# Altium PCB FPGA_SHIELD_MARK1_RA1_2.PcbDoc (part 3 of 4)
Units mil, origin at the board's own origin, x right, y up, seen from the top; angles counter-clockwise.
Board outline 3471 x 2686 mil, 4 copper layers (Top Layer, GND, VDD, Bottom Layer); 176 components, 185 nets, 820 pads, 591 vias.
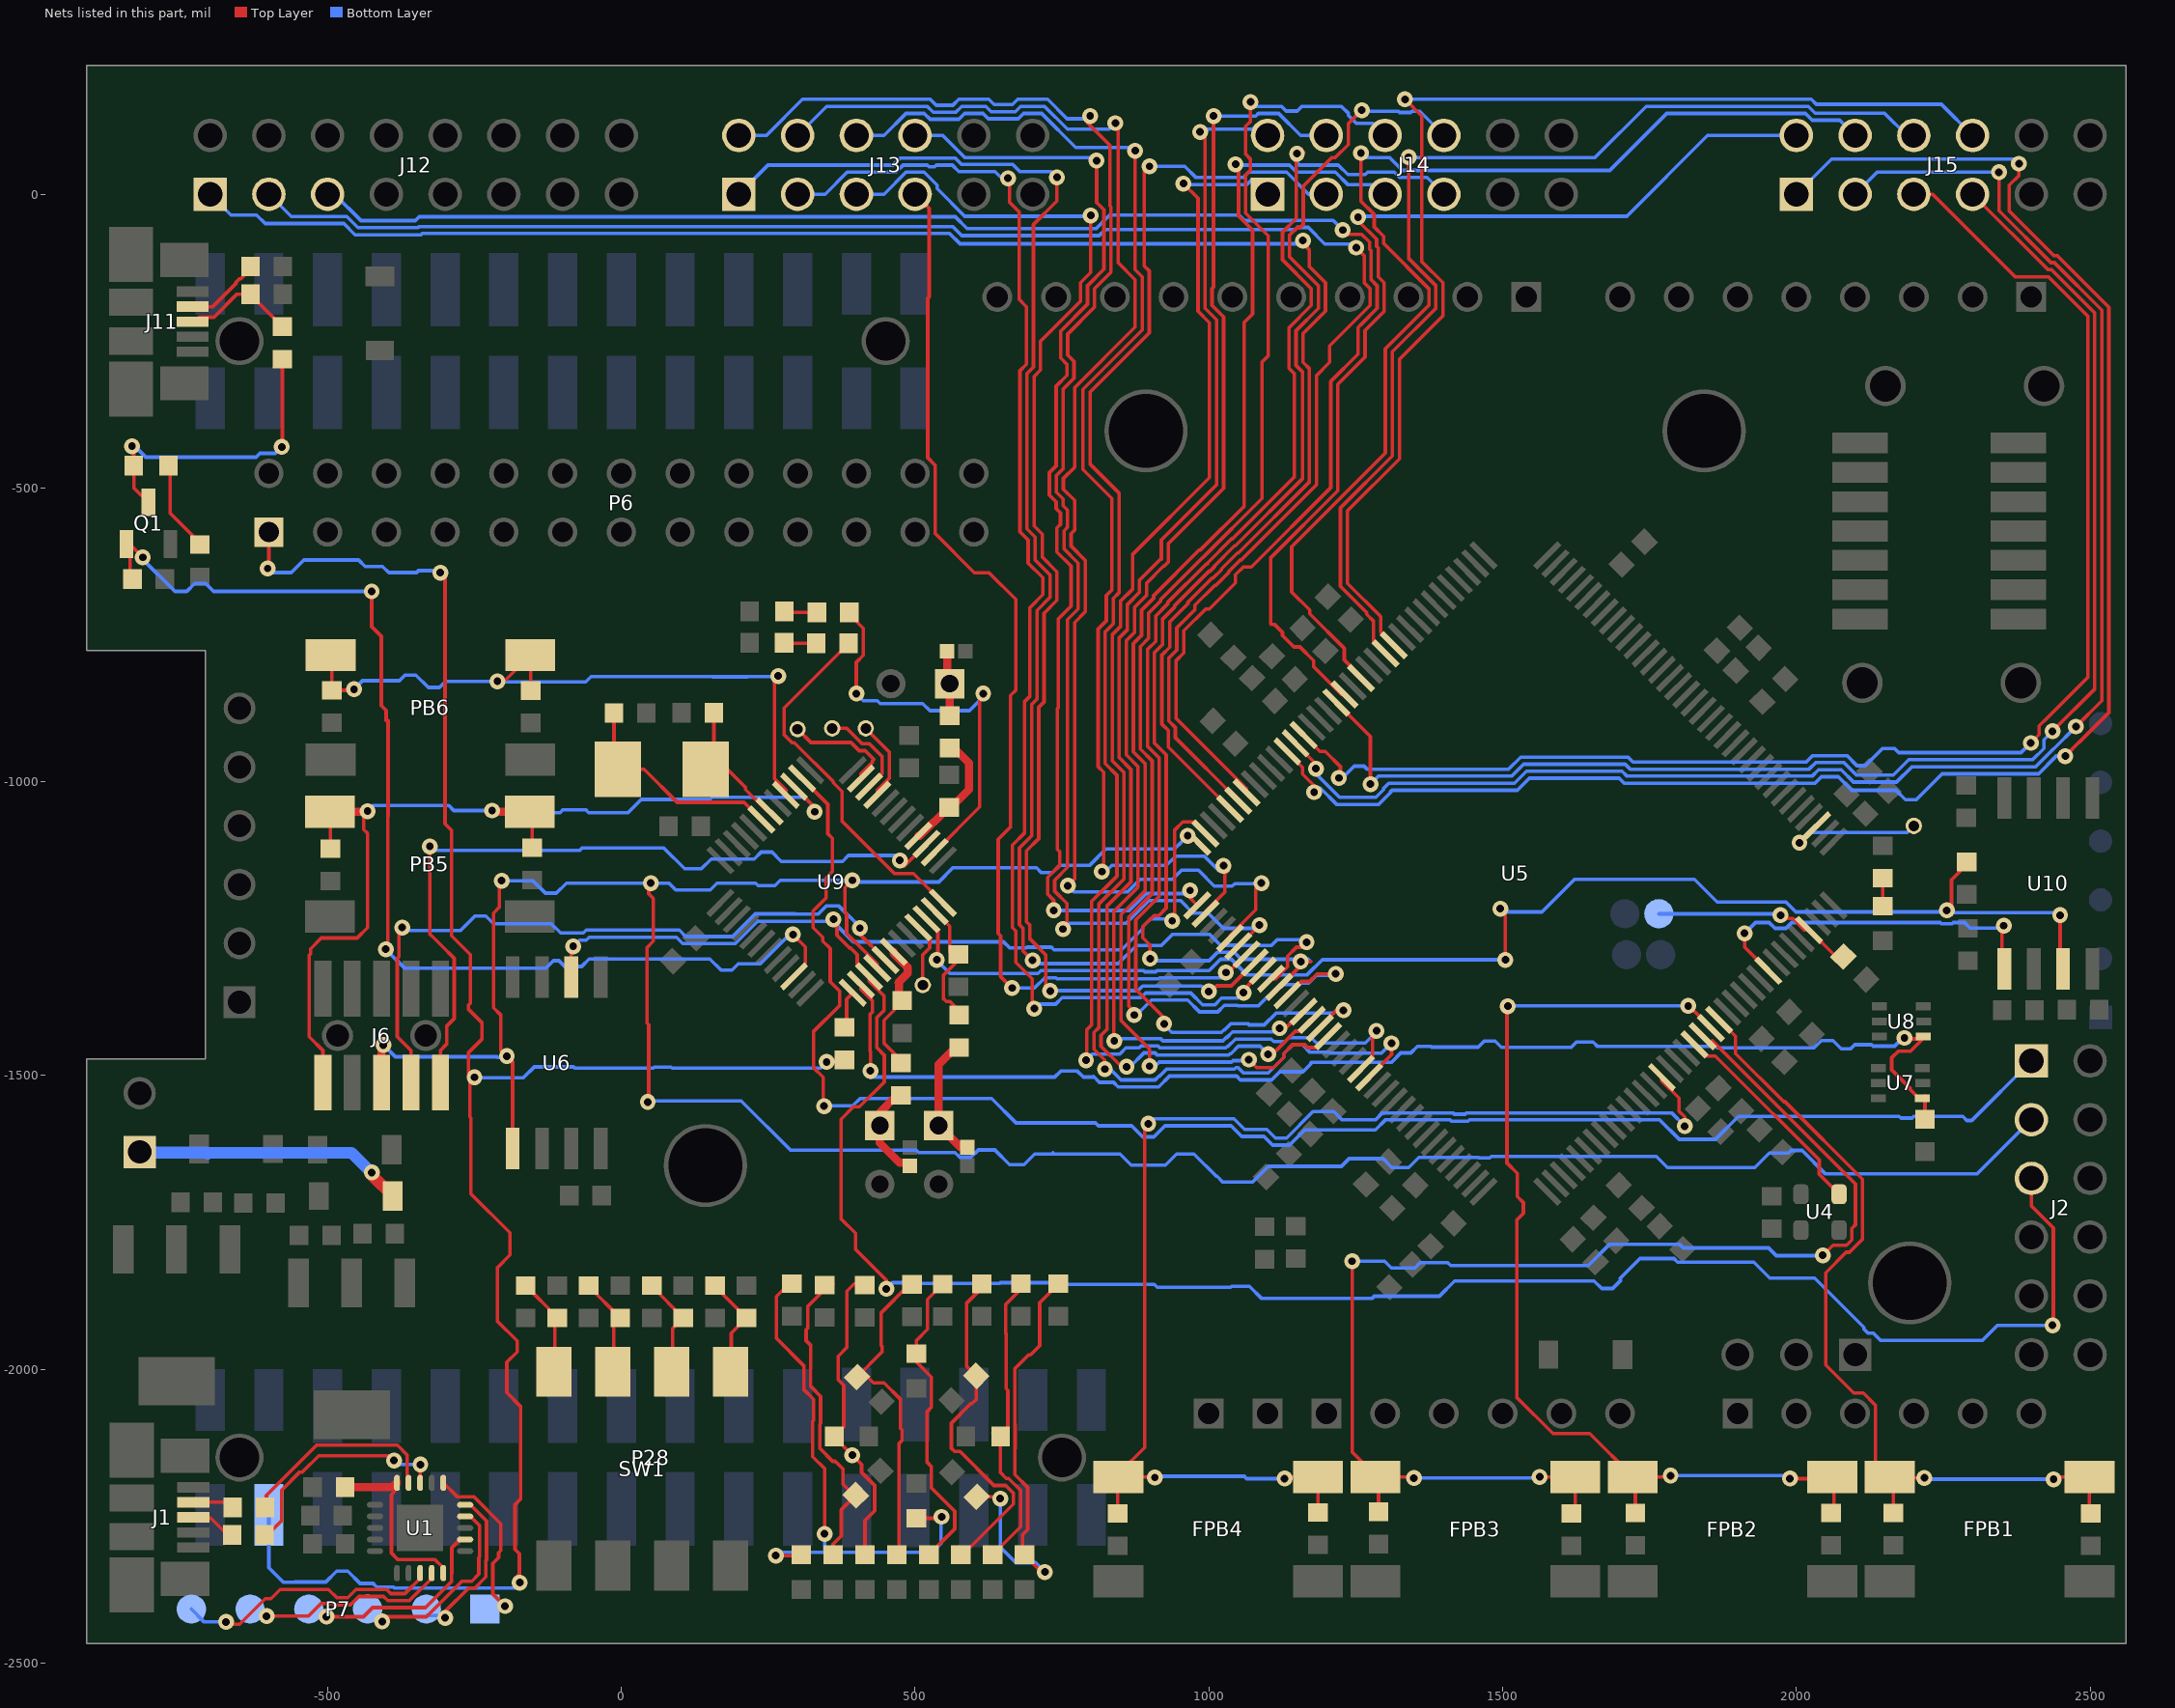
[diagram p5: the nets of this part, all layers, seen from the top]

## Via types
v1: diameter 27, hole 13, Top Layer to Bottom Layer, 574 vias
v2: diameter 27, hole 13, Top Layer to Bottom Layer, tented both sides, 17 vias

## Nets (pads, with @x,y where several pads share a name; then routed paths per layer and width w, separated by ;. In a path a pad name is that pad's centre, name@x,y a point inside that pad or via, vN(x,y) a via of type N, cw(c..) or ccw(c..) an arc to the next point about the centre after c; other vN are vias at no path point) (continued)
LPC_LED_2: R44.1 U9.38 | length 896.5
  Top Layer w6: R44.1@388.03,-712 388.03,-715.06 411.76,-738.8 411.76,-784.99 400,-796.75 v1(400,-850) ; U9.38@533.29,-1119.73 610,-1043.01 ; v1(616,-850) v1@610,-850 ; 610,-1043.01 v1@610,-850 ; 610,-1043.01 v1@610,-850
  Bottom Layer w6: v1(400,-850) 412,-862 435.47,-862 440.47,-867 513.09,-867 525.09,-879 592.49,-879 616,-855.49 v1(616,-850)
MASTER_SENSE: P6.1 P28.3 R29.2 | length 3451.7
  Top Layer w6: v1(-602,-637) -600,-635 P6.1@-600,-575 ; v1(-308,-644) v1@-308,-643 ; v1@-307.5,-643.5 v1@-308,-643 ; v1(-250,-1503) -257.59,-1503 v1@-258,-1502.59 ; v1@-180.42,-2355.57 v1@-181,-2356.15 ; v1(349.44,-1477) 353.2,-1473.24 R29.2@380,-1473.24 ; v1@-308,-643 -300,-651 -300,-1071.56 -289,-1082.56 -289,-1262.1 -257,-1294.1 -257,-1376.97 -260.5,-1380.47 -260.5,-1386.71 -237.5,-1409.71 -237.5,-1438.29 -260.5,-1461.29 -260.5,-1500.09 v1@-258,-1502.59 ; v1@-258,-1502.59 -258,-1570 -256,-1572 -256,-1701.21 -189.5,-1767.71 -189.5,-1805.29 -210.69,-1826.48 -210.69,-1918.49 -177.5,-1951.68 -177.5,-1970.32 -195,-1987.82 -195,-2039.65 -171.8,-2062.86 -171.8,-2221.18 -181,-2230.38 -181,-2306.5 -173.67,-2313.83 -173.67,-2348.82 v1@-181,-2356.15 ; v1@-181,-2356.15 -181,-2363 v1@-181,-2356.15
  Bottom Layer w6: v1(-602,-637) -595,-644 -561.82,-644 -540.32,-622.5 -447.32,-622.5 -436.32,-633.5 -406.4,-633.5 -395.9,-644 -348.67,-644 -345.32,-640.65 -310.35,-640.65 -308,-643 v1(-308,-644) ; P28.3@-600,-2247.5 -600,-2337.82 -575.32,-2362.5 -556.68,-2362.5 -556.18,-2362 -522.32,-2362 -503.18,-2362 -484.68,-2343.5 -465.68,-2343.5 -444.68,-2364.5 -422.42,-2364.5 -416.42,-2370.5 -387.7,-2370.5 -385.7,-2372.5 -182.5,-2372.5 v1@-181,-2371 ; v1(-250,-1503) -257.59,-1503 -257.09,-1503.5 -166.5,-1503.5 -148.27,-1485.27 -81.26,-1485.27 -79.03,-1487.5 54.21,-1487.5 56.21,-1485.5 84.79,-1485.5 86.79,-1487.5 338.94,-1487.5 v1(349.44,-1477) ; v1@-181,-2371.21 v1@-181,-2371 ; v1(-173,-2363) v1@-181,-2371
MISO: J2.3 U5.143 U6.2 U9.27 | length 4515
  Top Layer w6: U6.2@-85,-1332.75 v1@-85,-1271 ; v1@359.66,-1235.34 v1@367,-1242.69 ; v1(361,-1234) 358.31,-1234 v1@367,-1242.69 ; v1(451,-1863) 451,-1848.23 398.5,-1795.73 398.5,-1768.5 374,-1744 374,-1574.24 395.03,-1553.21 405.23,-1553.21 447.5,-1510.94 447.5,-1465.47 435.06,-1453.03 435.06,-1401.13 447.06,-1389.13 447.06,-1364.58 421.93,-1339.45 U9.27@421.93,-1331.3 421.93,-1330.93 401.5,-1310.5 401.5,-1294.3 390.24,-1283.04 388.71,-1283.04 367,-1261.33 v1@367,-1242.69 ; v1(937.67,-1236.76) 941.5,-1232.93 941.5,-1082.68 955.83,-1068.35 975.01,-1068.35 U5.143@994.45,-1087.8 ; J2.3@2400,-1675 2400,-1721.82 2437.5,-1759.32 2437.5,-1923.5 v1(2436.01,-1924.99)
  Bottom Layer w6: v1(-82,-1280) -71.5,-1269.5 -59.77,-1269.5 -54.77,-1264.5 93.71,-1264.5 104.71,-1275.5 194.23,-1275.5 232.82,-1236.91 233.41,-1237.5 v1@355.86,-1237.5 ; v1@358,-1235.36 395.14,-1272.5 650.68,-1272.5 660.68,-1282.5 689.68,-1282.5 690.68,-1281.5 731.71,-1281.5 736.21,-1286 851.21,-1286 887.5,-1249.71 887.5,-1246.68 900.68,-1233.5 934.41,-1233.5 v1(937.67,-1236.76) ; v1(451,-1863) 461.5,-1852.5 491.04,-1852.5 492.04,-1853.5 644.37,-1853.5 645.37,-1852.5 728.63,-1852.5 731.63,-1855.5 907.39,-1855.5 912.39,-1860.5 1037,-1860.5 1039,-1858.5 1069,-1858.5 1089.99,-1879.49 1277.33,-1879.49 1281.32,-1875.5 1392.32,-1875.5 1418.32,-1849.5 1655.68,-1849.5 1668.68,-1862.5 1687.32,-1862.5 1700.52,-1849.3 1700.52,-1844.82 1733.83,-1811.5 1791.8,-1811.5 1797.8,-1817.5 1927.69,-1817.5 1954.7,-1844.52 2031.06,-1844.52 2115,-1928.46 2115,-1931.48 2122.02,-1938.5 2131.23,-1938.5 2143.72,-1950.99 2316.52,-1950.99 2342.52,-1924.99 v1(2436.01,-1924.99)
MOSI_SWO: J2.2 J6.6 U5.144 U6.5 U9.28 | length 5105.4
  Top Layer w6: v1@-407,-1450 v1(-405,-1448) ; v1(-203.68,-1168.37) -207.5,-1172.19 -207.5,-1213.5 -217.5,-1223.5 -217.5,-1384.45 -205.5,-1396.45 -205.5,-1456.5 v1(-195,-1467) -185,-1477 U6.5@-185,-1624.09 ; v1@46.5,-1544.99 46.5,-1413.71 43.55,-1410.76 43.55,-1282.32 54.5,-1271.37 54.5,-1198.68 46.5,-1190.68 46.5,-1176 v1(50,-1172.5) ; v1(393,-1167.69) 380.5,-1180.19 380.5,-1221.68 383.5,-1224.68 383.5,-1258.32 396.68,-1271.5 396.99,-1271.5 435.85,-1310.35 U9.28@435.85,-1317.38
  Top Layer w14: J6.6@-408,-1512 v1@-408,-1449
  Bottom Layer w6: v1(-405,-1448) -384.91,-1468.09 -211.91,-1468.09 -211,-1469 v1@-195,-1469 ; v1(-203.68,-1168.37) -150.45,-1168.37 -129.32,-1189.5 -110.68,-1189.5 -93.68,-1172.5 v1(50,-1172.5) 81.11,-1172.5 92.8,-1184.19 151.2,-1184.19 162.89,-1172.5 228.7,-1172.5 232.89,-1176.69 261.47,-1176.69 270.47,-1167.69 v1(393,-1167.69) 395.81,-1170.5 540.29,-1170.5 564.29,-1146.5 706.68,-1146.5 714.68,-1154.5 733.71,-1154.5 745.71,-1142.5 796.68,-1142.5 824.68,-1114.5 941.5,-1114.5 953.5,-1102.5 ; v1(45.01,-1544.99) 47.01,-1542.99 204.01,-1542.99 288.02,-1627 502.3,-1627 506.3,-1631 568.02,-1631 576.02,-1639 595.18,-1639 607.68,-1626.5 635.71,-1626.5 660.71,-1651.5 685.29,-1651.5 703.29,-1633.5 734.5,-1633.5 ; 734.5,-1631.5 736.5,-1633.5 848.8,-1633.5 867.8,-1652.5 926.2,-1652.5 945.2,-1633.5 974.68,-1633.5 1012.68,-1671.5 1014.14,-1671.5 1024.14,-1681.5 1074.03,-1681.5 1101.03,-1654.5 1225.68,-1654.5 1238.68,-1641.5 1296.71,-1641.5 1311.71,-1656.5 1340.29,-1656.5 1357.29,-1639.5 1459.18,-1639.5 1459.68,-1640 1478.32,-1640 1480.82,-1637.5 1761.8,-1637.5 1780.8,-1656.5 1929.32,-1656.5 1953.82,-1632 1986.71,-1632 1991.21,-1627.5 2009.85,-1627.5 2049.85,-1667.5 2307.5,-1667.5 J2.2@2400,-1575
  other v1: 964,-1092
NetC6_2: C6.2 U1.10 U1.20 | length 314.9
  Top Layer w6: U1.10@-386,-2199 -386,-2208.05 -391.37,-2213.42 -391.37,-2312.66 -380.03,-2323.99 -317.11,-2323.99 -303.19,-2337.91 U1.20@-303.19,-2346.77
  Top Layer w14: C6.2@-470.44,-2200.5 -389.2,-2200.5 U1.10@-381.93,-2193.23
NetC27_1: C27.1 R28.1 U9.30 | length 227.1
  Top Layer w6: C27.1@472.79,-1370.46 472.79,-1380.37 447.06,-1406.1 447.06,-1445.05 473.79,-1471.78 R28.1@473.79,-1478.46
  Top Layer w14: U9.30@463.69,-1289.54 463.69,-1292.04 487.13,-1315.48 487.13,-1326.25 471.79,-1341.58 472.79,-1342.58 C27.1@472.79,-1370.46
NetC30_1: C30.1 R30.1 U9.35 | length 217.6
  Top Layer w6: U9.35@533.29,-1219.95 559,-1245.66 C30.1@559,-1290.83 ; C30.1@570.88,-1291.15 C30.1@573.67,-1293.94 573.67,-1303.85 547.94,-1329.59 547.94,-1368.54 553.21,-1373.81 559.21,-1373.81 576.67,-1391.27 R30.1@576.67,-1399.94
NetC31_2: C31.2 J6.10 PB5.B R36.2 U9.3 | length 1689.5
  Top Layer w6: J6.10@-508,-1512 -508,-1457.2 -531.5,-1433.7 -531.5,-1295.5 -529,-1293 -529,-1284.18 -510.74,-1265.92 -449.77,-1265.92 -432,-1248.15 -432,-1087.76 -438.49,-1081.28 -438.49,-1056.49 v1(-432,-1050) v1@-433.42,-1051.42 ; PB5.B@-496,-1051.42 -495,-1052.42 C31.2@-495,-1113.94 ; PB5.B@-156,-1051.42 -152,-1055.42 R36.2@-152,-1112.44 ; U9.3@293.87,-1008.37 336.5,-1051 v1(329,-1051)
  Top Layer w14: PB5.B@-496,-1051.42 -433.42,-1051.42 v1(-432,-1050) ; v1(-220,-1049) -217.58,-1051.42 PB5.B@-156,-1051.42
  Bottom Layer w6: v1(-432,-1050) -422.5,-1040.5 -293.68,-1040.5 -285.18,-1049 v1(-220,-1049) -216.5,-1052.5 -104.26,-1052.5 -99.26,-1047.5 -60.74,-1047.5 -55.74,-1052.5 11.4,-1052.5 33.71,-1030.19 150.71,-1030.19 154.71,-1026.19 224.37,-1026.19 224.68,-1026.5 243.32,-1026.5 243.63,-1026.19 311.69,-1026.19 336.5,-1051 v1(329,-1051)
NetC33_1: C33.1 R40.1 U9.40 | length 207.5
  Top Layer w14: U9.40@505.45,-1091.89 507.94,-1091.89 531.38,-1068.45 532.44,-1068.45 557.79,-1043.1 561.9,-1043.1 592,-1013 592,-968.47 566.09,-942.56 R40.1@559,-942.56
NetC37_2: C37.2 U9.7 Y1.1 | length 369.3
  Top Layer w6: C37.2@-12.56,-891.69 -12.56,-972.19 Y1.1@-6.06,-978.69 38.93,-978.69 95.17,-1034.93 209.07,-1034.93 U9.7@238.19,-1064.05
NetC38_2: C38.2 U9.6 Y1.2 | length 233.2
  Top Layer w6: C38.2@157.56,-891.69 157.56,-964.67 Y1.2@143.54,-978.69 180.67,-978.69 211.5,-1009.52 211.5,-1013.32 248.31,-1050.13 U9.6@252.11,-1050.13
NetC39_2: C39.2 PB6.B R41.2 U9.4 | length 1198
  Top Layer w6: PB6.B@-495,-784.42 -493,-786.42 C39.2@-493,-844.44 -456.94,-844.44 v1(-455,-842.5) ; v1(-211,-829) -199.58,-829 PB6.B@-155,-784.42 -154,-785.42 R41.2@-154,-844.88 ; v1(267,-820) 260.51,-826.49 260.51,-994.7 279.95,-1014.14 U9.4@279.95,-1022.29
  Bottom Layer w6: v1(-455,-842.5) -440.5,-828 -377.82,-828 -368.32,-818.5 -349.68,-818.5 -328.68,-839.5 -309.68,-839.5 -299.18,-829 v1(-211,-829) -210,-830 -60.49,-830 -51.49,-821 82.38,-821 82.56,-821.19 155.48,-821.19 155.8,-821.5 214.2,-821.5 214.52,-821.19 265.81,-821.19 v1(267,-820)
NetD2_2: D2.2 J5.1 | length 478.8
  Top Layer w20: v1(-424.87,-1665) -424.87,-1669.14 D2.2@-389.01,-1705
  Bottom Layer w20: J5.1@-834,-1631 -706,-1631 -705.3,-1631.7 ; -704,-1633 -705.3,-1631.7 ; v1@-426,-1665 -459.3,-1631.7 -705.3,-1631.7
NetD5_C: D5.C R37.1 | length 47.2
  Top Layer w6: D5.C@2147,-1211.47 R37.1@2147,-1164.22
NetD6_A: D6.A Q1.3 R46.1 | length 526.6
  Top Layer w6: D6.A@-830.14,-462 v1@-830.14,-429 ; D6.A@-829.52,-462 -829.52,-500.05 Q1.3@-805,-524.57 ; v1@-580,-429 -577,-426 R46.1@-577,-280.56 ; v1(-578,-430) v1@-578,-429.56
  Bottom Layer w6: v1(-833,-429) v1@-830,-429 ; v1@-830,-427 -809.5,-447.5 -621.68,-447.5 -615.18,-441 -589,-441 v1(-578,-430)
NetD6_C: D6.C R45.2 | length 163.4
  Top Layer w6: D6.C@-768.02,-451.99 -768.02,-542.98 R45.2@-717.55,-593.44 ; R45.2@-715.55,-594.44 R45.2@-715.55,-593.44
NetDC1_A: DC1.A DC9.A R17.1 | length 944.6
  Top Layer w6: v1(263,-2317) 306,-2317 DC1.A@307,-2318 ; R17.1@297.19,-1854.55 285.45,-1854.55 264,-1876 264,-1947.18 310.5,-1993.68 310.5,-2034.29 327,-2050.79 327,-2087.29 325.72,-2088.57 325.72,-2148.72 346,-2169 v1(346,-2280) ; DC9.A@494.68,-2246.18 DC9.A@500.17,-2240.7 ; DC9.A@502,-2253.53 542.47,-2253.53 v1(545,-2251)
  Bottom Layer w6: v1(263,-2317) 268.5,-2311.5 345.5,-2311.5 ; 345,-2312 345.5,-2311.5 ; v1(346,-2280) 346,-2311 345.5,-2311.5 ; v1@544,-2251 544,-2296.23 528.73,-2311.5 345.5,-2311.5
NetDC2_A: DC2.A DC11.A R23.1 | length 537.1
  Top Layer w6: DC2.A@360.45,-2315.64 360.45,-2297.37 374.5,-2283.32 374.5,-2238.83 DC11.A@397.67,-2215.67 ; R23.1@360.48,-1854.55 355.45,-1854.55 317.27,-1892.73 317.27,-1929.91 314.5,-1932.68 314.5,-1951.32 322.5,-1959.32 322.5,-2029.32 339,-2045.82 339,-2092.26 337.72,-2093.54 337.72,-2134.46 359.76,-2156.5 364.32,-2156.5 377.5,-2169.68 377.5,-2195.5 DC11.A@397.67,-2215.67 ; DC11.A@398,-2216 DC11.A@397.67,-2215.67
NetDC3_A: DC3.A DC12.A R18.1 | length 545.9
  Top Layer w6: DC3.A@414.74,-2315.64 414.74,-2257.26 431.09,-2240.91 431.09,-2197.66 408.91,-2175.49 408.91,-2161.91 v1(393,-2146) 362.47,-2115.47 DC12.A@362.47,-2114 378.55,-2097.92 378.55,-2026.95 369.15,-2017.54 369.15,-1977.64 384,-1962.79 384,-1899.25 383.73,-1898.98 383.73,-1866.95 396.13,-1854.55 R18.1@423.77,-1854.55
NetDC4_A: DC4.A DC14.A R20.1 | length 554.4
  Top Layer w6: DC4.A@469.03,-2315.64 472.85,-2311.82 472.85,-2125.97 477.5,-2121.32 477.5,-2102.68 474.85,-2100.03 474.85,-2050.46 447.3,-2022.91 429.18,-2022.91 419.39,-2013.12 DC14.A@401.12,-2013.12 444.03,-1970.21 444.03,-1960.85 442.5,-1959.32 442.5,-1903.32 487.05,-1858.77 R20.1@487.05,-1854.55
NetDC5_A: DC5.A DC16.A R16.1 | length 533.6
  Top Layer w6: DC5.A@523.31,-2315.64 567.5,-2271.45 567.5,-2241.68 527.73,-2201.91 527.73,-2165.55 520.5,-2158.32 520.5,-2071.87 527.73,-2064.64 527.73,-2013.05 502,-1987.32 DC16.A@502,-1973.47 502,-1951 521.27,-1931.73 521.27,-1880.67 R16.1@547,-1854.94 ; R16.1@548.09,-1856.03 549.58,-1854.55 R16.1@550.34,-1854.55
NetDC6_A: DC6.A DC15.A R19.1 | length 597.5
  Top Layer w6: DC6.A@577.6,-2315.64 581.18,-2315.64 667.5,-2229.32 667.5,-2210.68 654.32,-2197.5 634.17,-2197.5 576.4,-2139.73 567,-2139.73 561.72,-2134.46 561.72,-2091.46 594.68,-2058.5 596.76,-2058.5 603.88,-2051.38 DC15.A@603.88,-2011.12 587.89,-1995.13 587.89,-1887.15 613.62,-1861.41 R19.1@613.62,-1854.55
NetDC7_A: DC7.A DC13.A R21.1 | length 526.1
  Top Layer w6: DC7.A@631.88,-2315.64 679.5,-2268.02 679.5,-2205.71 659.29,-2185.5 655.13,-2185.5 645,-2175.37 645,-2121.47 DC13.A@631.88,-2108.36 ; DC13.A@645.53,-2114 658,-2101.53 658,-2036.18 654.82,-2033 654.82,-1939.34 654.27,-1938.78 654.27,-1889.53 680,-1863.8 R21.1@680,-1854.44
NetDC8_A: DC8.A DC10.A R22.1 | length 772.3
  Top Layer w6: DC10.A@604.86,-2216.88 641.88,-2216.88 v1(645,-2220) ; v1(721,-2345) 715.53,-2345 DC8.A@686.17,-2315.64 683,-2312.47 683,-2281.49 691.5,-2272.99 691.5,-2200.74 670,-2179.24 670,-2134.74 670.28,-2134.46 670.28,-2093.54 670,-2093.26 670,-1998.67 693.17,-1975.5 696.32,-1975.5 712,-1959.82 712,-1886.44 R22.1@744,-1854.44
  Bottom Layer w6: v1(645,-2220) 645,-2302.73 671.27,-2329 705,-2329 v1(721,-2345)
NetDC17_A: DC17.A R42.2 | length 55.2
  Top Layer w6: DC17.A@277.12,-763.53 278.12,-764.53 R42.2@331.9,-764.53
NetDC18_A: DC18.A R44.2 | length 56.3
  Top Layer w6: DC18.A@277.5,-709.8 279.7,-712 R44.2@332.91,-712
NetJ1_2: J1.2 R7.2 | length 49.2
  Top Layer w6: J1.2@-712,-2226 -675.56,-2226 R7.2@-666.56,-2235
NetJ1_3: J1.3 R6.2 | length 60.9
  Top Layer w6: J1.3@-713,-2247 -707,-2253 -699.2,-2253 -670.2,-2282 R6.2@-666.56,-2282
NetJ3_1: J3.1 P3.1 R28.2 | length 155.2
  Top Layer w14: R28.2@466,-1538 465,-1538 440,-1563 P3.1@440,-1585 440,-1614.88 473.12,-1648 485.5,-1648 J3.1@491,-1653.5
NetJ4_1: J4.1 P4.1 R30.2 | length 206.6
  Top Layer w14: R30.2@567,-1454 540,-1481 P4.1@540,-1585 577.18,-1622.18 J4.1@589,-1622.18
NetJ6_2: J6.2 U9.39 | length 1343.7
  Top Layer w6: v1(-326,-1110) -326,-1259.27 -318.77,-1266.5 -318.54,-1266.5 -306.5,-1278.54 -284.5,-1300.54 -284.5,-1403.23 -297.5,-1416.23 -297.5,-1446.7 -308,-1457.2 J6.2@-308,-1512 ; v1(474,-1133.69) 474,-1142.69 482.49,-1142.69 U9.39@519.37,-1105.81
  Bottom Layer w6: v1(-326,-1110) -319.5,-1116.5 -70.68,-1116.5 -66.68,-1112.5 72.02,-1112.5 107.71,-1148.19 136.29,-1148.19 152.98,-1131.5 226.05,-1131.5 237.86,-1119.69 256.5,-1119.69 272.31,-1135.5 376.4,-1135.5 386.4,-1125.5 465.81,-1125.5 v1(474,-1133.69)
NetJ6_4: J6.4 U9.29 | length 1213.2
  Top Layer w6: v1(-373,-1248) -378.5,-1253.5 -378.5,-1297.77 -381.5,-1300.77 -381.5,-1433.7 -358,-1457.2 J6.4@-358,-1512 ; v1(406,-1249) 403.46,-1249 403,-1248.54 403,-1256.69 U9.29@449.77,-1303.46
  Bottom Layer w6: v1(-373,-1248) -378,-1253 -273.82,-1253 -249.32,-1228.5 -230.68,-1228.5 -217.66,-1241.52 -119.24,-1241.52 -103.26,-1257.5 -64.74,-1257.5 -59.74,-1252.5 98.68,-1252.5 109.68,-1263.5 189.26,-1263.5 227.85,-1224.91 296.09,-1224.91 296.68,-1225.5 334.37,-1225.5 348.37,-1211.5 370.32,-1211.5 406,-1247.18 v1(406,-1249)
NetJ10_1: J10.1 P5.1 R40.2 | length 89.9
  Top Layer w14: J10.1@554.5,-788 554.5,-828.71 P5.1@558.79,-833 R40.2@558.79,-876.13
NetJ11_2: J11.2 R48.1 | length 126.7
  Top Layer w6: J11.2@-729.64,-191.41 -695.41,-191.41 -655.88,-151.88 -655.88,-149.54 -650.61,-144.27 -648.27,-144.27 R48.1@-631,-127
NetJ11_3: J11.3 R46.2 R47.1 | length 191.4
  Top Layer w6: J11.3@-726,-217 -718.27,-209.27 -693.47,-209.27 -654.2,-170 -632.44,-170 R46.2@-577,-225.44
NetJ17_1: J17.1 R50.2 U5.69 | length 344.2
  Top Layer w6: v1(1973,-1227) 1978.6,-1232.6 1994.12,-1232.6 2013.56,-1252.04 U5.69@2021.71,-1252.04 2067.18,-1297.51 R50.2@2080.09,-1297.51
  Bottom Layer w6: J17.1@1766,-1224.74 1970.74,-1224.74 v1(1973,-1227)
NetP7_1: P7.1 U1.6 | length 281.4
  Top Layer w6: U1.6@-303.19,-2193.23 -279.71,-2216.71 -251.16,-2216.71 -205,-2262.87 -205,-2308.03 -209,-2312.03 -209,-2320.51 -218.67,-2330.18 -218.67,-2382.33 v1(-198,-2403)
NetP7_2: P7.2 U1.5 | length 285.3
  Top Layer w6: v1(-300,-2423) -300,-2412.18 -260.32,-2372.5 -249.71,-2372.5 -230.67,-2353.46 -230.67,-2325.21 -229.5,-2324.04 -229.5,-2258.06 -256.93,-2230.63 U1.5@-265.79,-2230.63
  Bottom Layer w6: P7.2@-332,-2418.82 v1@-294.73,-2418.82
NetP7_3: P7.3 U1.4 | length 316.3
  Top Layer w6: v1(-407,-2429) -407,-2421 -331.9,-2421 -271.4,-2360.5 -254.68,-2360.5 -242.67,-2348.49 -242.67,-2320.24 -241.5,-2319.07 -241.5,-2265.74 -256.93,-2250.31 U1.4@-265.79,-2250.31
NetP7_4: P7.4 U1.2 | length 324
  Top Layer w6: v1(-502,-2421) -438.82,-2421 -423.37,-2405.55 -333.42,-2405.55 -289.27,-2361.4 -289.27,-2348 -288.57,-2347.3 -288.57,-2303.6 -274.65,-2289.69 U1.2@-265.79,-2289.69
NetP7_5: P7.5 U1.19 | length 333
  Top Layer w6: v1(-604,-2420) -532.82,-2420 -511.32,-2398.5 -491.29,-2398.5 -489.29,-2400.5 -460.71,-2400.5 -446.71,-2386.5 -404.69,-2386.5 -397.64,-2393.55 -360.79,-2393.55 -322.87,-2355.63 U1.19@-322.87,-2346.77 ; U1.19@-323.31,-2346.63 U1.19@-323.31,-2337.77
NetP7_6: P7.6 U1.18 | length 452.3
  Top Layer w6: v1@-668,-2434 -649.82,-2434 -606.18,-2390.36 -596.47,-2390.36 -580.61,-2374.5 -498.32,-2374.5 -484.32,-2388.5 -465.68,-2388.5 -451.68,-2374.5 -399.72,-2374.5 -392.67,-2381.55 -368.48,-2381.55 -342.56,-2355.63 U1.18@-342.56,-2346.77
  Bottom Layer w6: P7.6@-732,-2408 -710,-2430 v1(-673,-2430)
NetQ1_1: Q1.1 R43.1 U9.22 | length 1993.3
  Top Layer w6: Q1.1@-842.4,-595.43 -837.21,-595.43 Q1.1@-835.95,-596.69 ; R43.1@-826.11,-655 -835.95,-645.16 Q1.1@-835.95,-596.69 ; v1(-814.64,-618) Q1.1@-835.95,-596.69 ; v1(-425,-676) -425,-736 -408.5,-752.5 -408.5,-870.32 -400.29,-878.53 -400.29,-895.5 ; v1(-401,-1285) -397.5,-1281.5 -397.5,-1057 ; -397,-1058.32 -397,-895.5 ; v1(292,-1260) 313.31,-1281.31 313.31,-1311.86 U9.22@293.87,-1331.3
  Bottom Layer w6: v1@-816,-620 -760,-676 -739.85,-676 -726.24,-662.39 -707.6,-662.39 -693.99,-676 -426,-676 -425,-675 v1(-425,-676) ; v1(-401,-1285) -368.5,-1317.5 -128.68,-1317.5 -115.68,-1304.5 -106.29,-1304.5 -96.29,-1314.5 -67.71,-1314.5 -54.71,-1301.5 150.68,-1301.5 169.68,-1320.5 188.32,-1320.5 199,-1309.82 236.28,-1309.82 289,-1257.09 291.91,-1260 v1(292,-1260)
NetR6_1: R6.1 U1.8 | length 392
  Top Layer w6: R6.1@-611,-2280 -601,-2280 -578,-2257 -578,-2205.34 -547.42,-2174.77 -542.77,-2174.77 -515,-2147 -395,-2147 v1(-387,-2155) ; U1.8@-342.56,-2193.23 -342.56,-2162.56 v1(-342,-2162)
  Bottom Layer w6: v1(-387,-2155) -380,-2162 v1(-342,-2162)
NetR7_1: R7.1 U1.9 | length 338.7
  Top Layer w6: R7.1@-604,-2223 -604,-2214.37 -518.85,-2129.22 -380.96,-2129.22 -364.5,-2145.68 -364.5,-2190.97 U1.9@-362.24,-2193.23
NetR8_2: R8.2 R9.1 SW1.A4 | length 185.3
  Top Layer w6: R8.2@-163,-1857.44 -109.29,-1911.16 R9.1@-109.29,-1912.56 -113,-1916.27 SW1.A4@-113,-2019
NetR10_2: R10.2 R11.1 SW1.A3 | length 188.4
  Top Layer w6: R10.2@-55.57,-1857.44 -55.57,-1858.84 R11.1@-1.86,-1912.56 -13,-1923.7 SW1.A3@-13,-2019
NetR12_2: R12.2 R13.1 SW1.A2 | length 191.5
  Top Layer w6: R12.2@51.86,-1857.44 51.86,-1858.84 R13.1@105.57,-1912.56 87,-1931.13 SW1.A2@87,-2019
NetR14_2: R14.2 R15.1 SW1.A1 | length 194.6
  Top Layer w6: R14.2@159.29,-1857.44 159.29,-1858.84 R15.1@213,-1912.56 187,-1938.56 SW1.A1@187,-2019
NetR29_1: R29.1 U9.25 | length 64.8
  Top Layer w6: R29.1@380,-1418.12 383.5,-1414.62 383.5,-1369.73 U9.25@394.09,-1359.14
NetR35_1: R35.1 U9.34 U10.7 | length 2376.4
  Top Layer w6: U9.34@519.37,-1233.86 519.37,-1235.05 538.81,-1254.49 v1@538.81,-1293.14 ; v1(1496,-1216) 1504.74,-1224.74 v1(1504.74,-1303) ; v1(2256,-1219) 2264.27,-1210.73 2264.27,-1166.81 2290,-1141.08 R35.1@2290,-1136.44 ; v1(2449,-1227) 2449,-1313.67 U10.7@2454,-1318.67